# Altium PCB Driver_S_Comm.PcbDoc (part 2 of 4)
Units mm, origin at the board's own origin, x right, y up, seen from the top; angles counter-clockwise.
Board outline 200.2 x 290.2 mm, 2 copper layers (Top Layer, Bottom Layer), stack 1.371 mm thick; 518 components, 197 nets, 1403 pads, 323 vias.
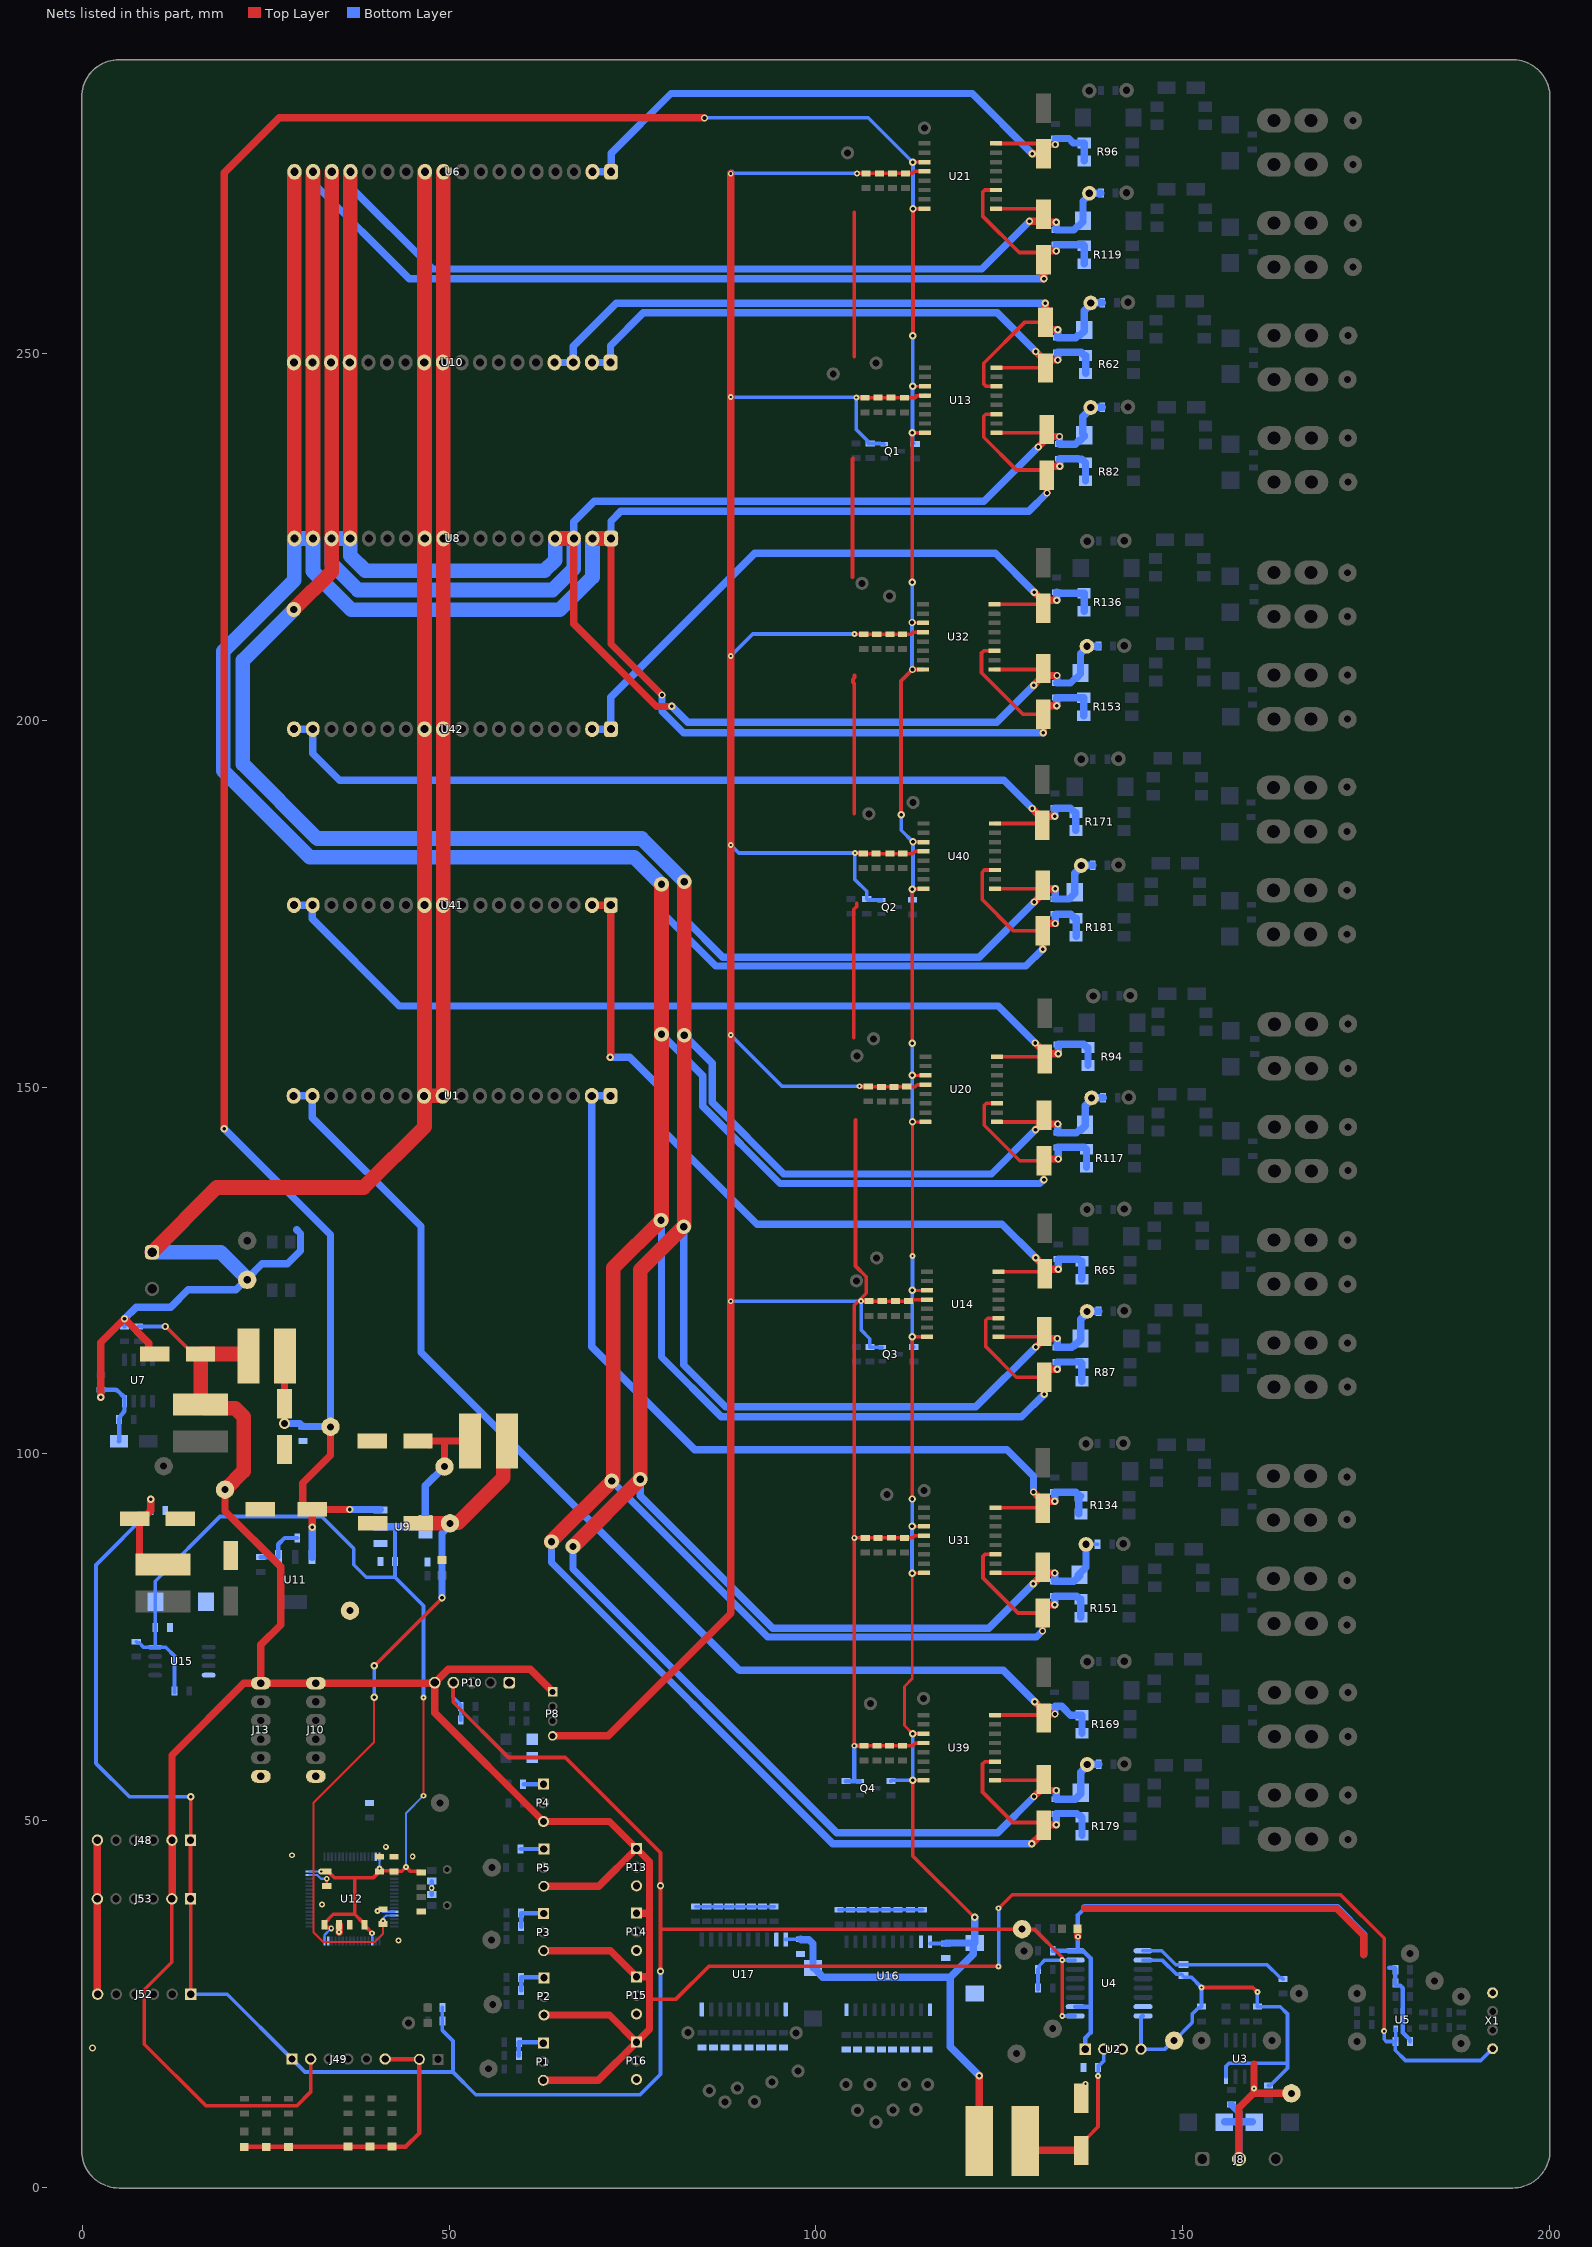
[diagram p2: the nets of this part, all layers, seen from the top]

## Part data
C1 C2 C3 C4 C6 C8 C25 C26 C27 C28 C29 C36 C40 C41 C42 C45 C46 C48 C52 C53 C54 C127: library part CAP-NON-POLAR
C9: library part CMP-1036-04552-2, "CAP CER 0.22UF 50V X7R 0805", Capacitance="0.22 μF", Manufacturer=KEMET, Package=C0805C-DN, Temperature="-55°C to +125°C", Temperature Characteristic=X7R, Temperature Coefficient=30ppm/°C, Temperature Range High=+125°C, Temperature Range Low=-55°C, Tolerance=0.1, Voltage Rating="50 V", Automotive=No, Category=Cap, ComponentLink2Description=Datasheet, ComponentLink2URL=https://content.kemet.com/datasheets/KEM_C1003_C0G_SMD.pdf, Device Class L1="Passive Components", Device Class L2=Capacitors, Device Class L3="Ceramic Capacitors", Digikey Description="CAP CER 0.22UF 50V X7R 0805", Height=0.88mm, Ipc Land Pattern Name=CAPC200125X78, Lead Free=Yes, Manufacturer Part Number=C0805C224K5RACTU, Material=Ceramic, Mouser Description="CAP CER 0.22UF 50V X7R 0805", Octopart=https://octopart.com/c0805c224k5ractu-kemet-144670, RoHS=TRUE
C33 C43 C44 C47 C49 C50 C51 C58 C60 C71 C73 C87 C88 C103 C104 C114 C117 C137 C139 C148 C150 C168 C170: library part CAP-POLAR
C38 C39: library part CAP_POL_SMD
C55 C56: library part CMP-2007-03453-2, "Chip Multilayer Ceramic Capacitors for General Purpose, 0805, 16pF, X5R, 15%, 10%, 16V", Capacitance=10uF, Case Code (Imperial)=0805, Case Code (Metric)=2012, Dielectric=X5R, Max Operating Temperature=85°C, Min Operating Temperature=-55°C, Package Quantity=1, Tolerance=10%, Voltage=16V, Case/Package=0805, Depth=1.25mm, Height=1.25mm, Lead Free="Lead Free", Length=2mm, Material=Ceramic, Mount="Surface Mount", Packaging="Tape and Reel", Radiation Hardening=No, REACH SVHC="No SVHC", Termination=SMD/SMT, Thickness=0.053inch, Voltage Rating=16V, Voltage Rating (DC)=16V, Width=1.25mm
D1 D2 D3 D4 D5 D6 D11 D22: library part LED, "WURTH ELEKTRONIK - 151031YS06000 - LED, Yellow, Through Hole, T-1 (3mm), 30 mA, 2 V, 590 nm", Manufacturer_Name="Wurth Elektronik", Mouser Part Number=710-151031YS06000, Datasheet Link=https://katalog.we-online.de/led/datasheet/151031YS06000.pdf, Geometry.Height=5.5mm, Manufacturer_Part_Number=151031YS06000, Mouser Price/Stock=https://www.mouser.co.uk/ProductDetail/Wurth-Elektronik/151031YS06000?qs=LlUlMxKIyB3xSYYW%252BcuBiQ%3D%3D
D8: "WURTH ELEKTRONIK - 151031YS06000 - LED, Yellow, Through Hole, T-1 (3mm), 30 mA, 2 V, 590 nm", Manufacturer_Name="Wurth Elektronik", Manufacturer_Part_Number=151031YS06000, Mouser Part Number=710-151031YS06000, Datasheet Link=https://katalog.we-online.de/led/datasheet/151031YS06000.pdf, Geometry.Height=5.5mm, Mouser Price/Stock=https://www.mouser.co.uk/ProductDetail/Wurth-Elektronik/151031YS06000?qs=LlUlMxKIyB3xSYYW%252BcuBiQ%3D%3D
J8: library part 691101710003, "WR-TBL Series 101 Horizontal Entry Modular, Through Hole, pitch 5mm, 3p", Manufacturer="Wurth Elektronik", Operating Temperature Max=105°C, Operating Temperature Min=-40°C, Rated Current=16A, Working Voltage=250V, Application="Pressure Clamp", Category="Terminal Blocks", ComponentLink1Description="Manufacturer Link", ComponentLink1URL=https://www.we-online.com/redexpert/article/691101710003?ad, ComponentLink2Description=Datasheet, ComponentLink2URL=https://www.we-online.com/redexpert/spec/691101710003?ad, Manufacturer Part Number=691101710003, Match Code=WR-TBL, Modularity=Yes, Mount="Through Hole", Orientation=Horizontal, Packaging=Box, PCB/Cable/Panel=PCB, Pin Number=3, Pitch=5mm
J9: "WR-TBL Series 101 Horizontal Entry Modular, THT, pitch 5mm, 2p", Manufacturer="Wurth Elektronik", Operating Temperature Max=105°C, Operating Temperature Min=-40°C, Rated Current=16A, Working Voltage=250V, Application="Pressure Clamp", Category="Terminal Blocks", ComponentLink1Description="Website Link", ComponentLink1URL=https://www.we-online.com/redexpert/article/691101710002?ad, ComponentLink2Description="Datasheet Link", ComponentLink2URL=https://www.we-online.com/redexpert/spec/691101710002?ad, Manufacturer Part Number=691101710002, Match Code=WR-TBL, Modularity=Yes, Mount="Through Hole", Number of Pins=2, Number of Rows=1, Orientation=Horizontal, Packaging=Box, Pitch=5mm
J14 J15 J16 J17 J19 J20 J21 J22 J23 J24 J25 J26 J28 J29 J30 J31 J32 J34 J35 J36 J37 J38 J39 J40 J42 J43 J44 J45 J46 J47 J50 J51: library part Klema_15_A
J48 J49 J52 J53: library part SWR25X-NRTC-S06-ST-BA
L3 L4: library part CMP-0227-00501-2, Ambient Temperature Range High=85°C, Ambient Temperature Range Low=-40°C, Current Rating=620mA, DC Resistance (DCR)=500mΩ, Inductance=270µH, Max Operating Temperature=125°C, Self Resonant Frequency=4MHz, Height=5.4mm, Length=9mm, Min Operating Temperature=-40°C, NexarPartId=24533346, Packaging=Digi-Reel®, RoHS=Compliant, Width=10mm
L5 L6 L7: library part 74477530, "WE-PD2 SMT Power Inductor, size 7850, 1000µH, 0.3A, 3.3Ω", Case/Size Code=7850, DC Resistance=2.78Ω, DC Resistance Max=3.3Ω, Inductance=1000µH, Manufacturer="Wurth Elektronik", Operating Temperature Max=125°C, Operating Temperature Min=-40°C, Rated Current=0.3A, Self Resonant Frequency=2.4MHz, Category="Unshielded Power Inductors", ComponentLink1Description="Website Link", ComponentLink1URL=https://www.we-online.com/redexpert/article/74477530?ad, ComponentLink2Description="Datasheet Link", ComponentLink2URL=https://www.we-online.com/redexpert/spec/74477530?ad, Height=4.95mm, Length=7.8mm, Manufacturer Part Number=74477530, Match Code=WE-PD2, Mount="Surface Mount", Packaging="Tape and Reel", Saturation Current=0.3A, Width=7mm, Simulation ModelName=7850_74477530_1m, Simulation ModelText=".subckt 7850_74477530_1m 1 2 / Rp 1 2 187304.915771 / Cp 1 2 4.36976277949p / Rs 1 N3 3.3 / L1 N3 2 1000u / .ends 7850_74477530_1m", Simulation PortMap=(1:1),(2:2)
P1 P2 P3 P4 P5 P13 P14 P15 P16: "WR-WTB THT Male Vertical Locking Header, pitch 2.54mm, 3p", Contact Resistance=20mOhm, Operating Temperature="-40 to +105degC", Rated Current=3A, Withstanding Voltage=1000VAC, Working Voltage=250VAC, ComponentLink1Description=Manufacturer, ComponentLink1URL=http://www.we-online.de, ComponentLink2Description=Datasheet, ComponentLink2URL=https://www.we-online.com/catalog/datasheet/61900311121.pdf, Gender=Male, Mounting Technology=THT, Packaging=Bag, Part Number=61900311121, Pin Number=3, Pitch=2.54mm, Published Date="January 2020", Publisher="Wurth Elektronik", Type=Vertical
P8: "WR-WTB Male Vertical Shrouded Header, pitch 2mm, 4p", Contact Resistance=20mOhm, Operating Temperature="-25 to +85degC", Rated Current=2A, Withstanding Voltage=800VAC, Working Voltage=125VAC, ComponentLink1Description=Manufacturer, ComponentLink1URL=http://www.we-online.de, ComponentLink2Description=Datasheet, ComponentLink2URL=https://www.we-online.com/catalog/datasheet/62000411622.pdf, Gender=Male, Mounting Technology=THT, Packaging=Bag, Part Number=62000411622, Pin Number=4, Pitch=2mm, Published Date="January 2020", Publisher="Wurth Elektronik", Type=Vertical
P9: "WR-WTB THT Male Vertical Locking Header, pitch 2.54mm, 2p", Contact Resistance=20mOhm, Operating Temperature="-40 to +105degC", Rated Current=3A, Withstanding Voltage=1000VAC, Working Voltage=250VAC, ComponentLink1Description=Manufacturer, ComponentLink1URL=http://www.we-online.de, ComponentLink2Description=Datasheet, ComponentLink2URL=https://www.we-online.com/catalog/datasheet/61900211121.pdf, Gender=Male, Mounting Technology=THT, Packaging=Bag, Part Number=61900211121, Pin Number=2, Pitch=2.54mm, Published Date="January 2020", Publisher="Wurth Elektronik", Type=Vertical
P10: "WR-PHD Pin Header, THT, Vertical, pitch 2.54mm, 1 Row, 5P", Contact Resistance=20mΩ, Manufacturer="Wurth Elektronik", Operating Temperature Max=105°C, Operating Temperature Min=-40°C, Rated Current=3A, Withstanding Voltage=500V, Working Voltage=250V, Category="Board-to-Board Connectors", ComponentLink1Description="Website Link", ComponentLink1URL=https://www.we-online.com/redexpert/article/61300511121?ad, ComponentLink2Description="Datasheet Link", ComponentLink2URL=https://www.we-online.com/redexpert/spec/61300511121?ad, Gender="Pin Header", Manufacturer Part Number=61300511121, Match Code=WR-PHD, Mount="Through Hole", Number of Pins=5, Number of Rows=1, Orientation=Vertical, Packaging=Bag, Pitch=2.54mm
Q1 Q2 Q3 Q4: library part BC847C_Infineon, "NPN Silicon AF Transistor, 45 V VCEO, 100 mA IC, SOT23, Reel, Green", Manufacturer=Infineon, ComponentLink1Description="Manufacturer URL", ComponentLink1URL=http://www.infineon.com/, ComponentLink2Description=Datasheet, ComponentLink2URL=http://www.infineon.com/dgdl/bc847series_bc848series_bc849series_bc850series.pdf?folderId=db3a304314dca389011541d30fa21656&fileId=db3a304314dca389011541d4630a1657, ComponentLink3Description="Package Specification", ComponentLink3URL=http://www.infineon.com/dgdl/SOT23-Package_Overview.pdf?folderId=db3a30431936bc4b0119532290053c66&fileId=db3a30431936bc4b0119533468123c85, fT (typ)="250Â MHz", Green=TRUE, IBM (max)="200Â mA", IC (max)="100Â mA", ICBO (max)="15Â nA", ICM (max)="200Â mA", Mounting Technology="Surface Mount", PackageDescription="3-Pin Small Outline Transistor Package, 1.3 x 2.9 mm Body, 0.95 mm Pitch", PackageReference=SOT23, PackageVersion=Apr-08, Packing=Reel, PartNumber=BC847C, Polarity=NPN, Ptot (max)="330Â mW", VCBO (max)="50Â V", VCEO (max)="45Â V", VEBO (max)="6Â V"
R1 R2 R3 R4 R5 R6 R7 R8 R9 R10 R11 R12 R13 R14 R15 R16 R17 R18 R19 R20 R21 R22 R23 R24 R25 R26 R27 R28 R29 R30 R31 R32 R33 R34 R35 R36 R37 R38 R39 R40 R41 R42 R43 R44 R45 R46 R47 R48 R49 R50 R51 R52 R53 R54 R55 R57 R58 R59 R60 R61 R62 R63 R64 R65 R66 R67 R68 R69 R70 R71 R72 R73 R74 R75 R76 R77 R78 R79 R80 R81 R82 R83 R84 R85 R86 R87 R88 R89 R90 R91 R92 R93 R94 R95 R96 R97 R104 R105 R106 R107 R108 R111 R113 R114 R115 R116 R117 R118 R119 R120 R121 R122 R123 R124 R131 R132 R133 R134 R135 R136 R137 R140 R142 R143 R144 R145 R146 R147 R148 R149 R150 R151 R152 R153 R154 R157 R159 R160 R167 R168 R169 R170 R171 R172 R173 R175 R176 R177 R178 R179 R180 R181: library part RES-CONST
R56: library part RES-CONST, "10K"
R174: library part RES-CONST, "100K"
TP1 TP2 TP3 TP4 TP5 TP6 TP7 TP8 TP9 TP10 TP11 TP12 TP13 TP14 TP15 TP16 TP17 TP18 TP19 TP20 TP21 TP22 TP23 TP24 TP25 TP26 TP27 TP28 TP29 TP30 TP31 TP32 TP33 TP34 TP35 TP36 TP37 TP38 TP39 TP40 TP41 TP42 TP43 TP44 TP45 TP46 TP47 TP48 TP49 TP50 TP51 TP52 TP53 TP54 TP55 TP56 TP57 TP58 TP59 TP60 TP61 TP62 TP63 TP64 TP65 TP66 TP67 TP68 TP69 TP70 TP71 TP72 TP73 TP74 TP77 TP78 TP79 TP83 TP84 TP85 TP86 TP87 TP88 TP98 TP99 TP100 TP101 TP102 TP103 TP104 TP105: library part TP_PCB?, "Test_Point"
U1 U6 U8 U10 U41 U42: library part DC-DC/12-18VDC
U4: library part CMP-0534-00565-1, "Quad Channel Digital Isolator, 2.5 KV rms Insulation Rating, 10 Mbps Data Rate, 50 ns Delay, Industrial, 16-pin SOIC (RW-16), Tube", Manufacturer="Analog Devices", Max Operating Temp (degreesC)=125, Code_JEDEC=MS-013-AA, ComponentLink1Description="Manufacturer URL", ComponentLink1URL=http://www.analog.com/en/index.html, ComponentLink2Description=Datasheet, ComponentLink2URL=http://www.analog.com/static/imported-files/data_sheets/ADuM1400_1401_1402.pdf, ComponentLink3Description="Package Specification", ComponentLink3URL=http://www.analog.com/static/imported-files/packages/PKG_PDF/SOIC_WIDE%20%28RW%29/RW_16.pdf, ComponentLink4Description="URL Link1", ComponentLink4URL="Product URL:http://www.analog.com/en/interface-isolation/digital-isolators/adum1401/products/product.html", ComponentLink5Description="URL Link2", ComponentLink5URL="Reference Circuit:http://www.analog.com/en/interface-isolation/digital-isolators/adum1401/products/product.html#product-recommendations", DatasheetVersion="Rev. H", Max Data Rate=10Mbps, Mounting Technology="Surface Mount", PackageDescription="16-Pin Standard Small Outline Package, Body 10.3 x 7.5 mm, Pitch 1.27 mm", PackageReference=RW-16, PackageVersion="032707-B, 03/2007", PartNumber=ADUM1401BRWZ
U5: library part MCP6001T, "IC OPAMP GP 1 CIRCUIT SOT23-5", Case/Package=SOT-23, Input Bias Current=1pA, Input Offset Voltage (Vos)=4.5mV, Max Operating Temperature=85°C, Max Supply Voltage=6V, Min Operating Temperature=-40°C, Min Supply Voltage=1.8V, Nominal Supply Current=100uA, Operating Supply Voltage=5.5V, Output Current=23mA, Package Quantity=1, Power Supply Rejection Ratio (PSRR)=86dB, Voltage Gain=112dB, Bandwidth=1MHz, Common Mode Rejection Ratio=60dB, Contact Plating=Tin, Gain Bandwidth Product=1MHz, Height=1.3mm, Lead Free="Lead Free", Length=3.1mm, Mount="Surface Mount", Number of Amplifiers=1, Number of Channels=1, Number of Circuits=1, Number of Elements=1, Number of Pins=5, Operating Supply Current=100uA, Output Current per Channel=23mA, Packaging="Tape and Reel", Radiation Hardening=No, REACH SVHC="No SVHC", Slew Rate=0.6V/µs, Unity Gain Bandwidth Product=1MHz, Voltage=6V, Width=1.8mm
U9 U11: library part AMS1117
VD1 VD18: library part ESD_Unidirect
VD2 VD3 VD6 VD7 VD10 VD11 VD14 VD15 VD20 VD21 VD24 VD25 VD28 VD29 VD32 VD33: library part Suppressor
VD4 VD5 VD8 VD9 VD12 VD13 VD16 VD17 VD22 VD23 VD26 VD27 VD30 VD31 VD34 VD35: library part ZENER
Y1: library part CMP-1749-00004-1, "Resistance Weld Thru-Hole Crystal, 12 MHz, +/-30 ppm, -20 to 70 degC, 2-Pin THD, RoHS, Bulk", Case\Package=TO-251-3, Input Capacitance="350 pF", Max Operating Temperature="150 degC", Max Power Dissipation="2.5 W", Min Operating Temperature="-55 degC", Package Quantity=70, ComponentLink1Description="Manufacturer URL", ComponentLink1URL=http://www.foxonline.com/, ComponentLink2Description=Datasheet, ComponentLink2URL=http://www.foxonline.com/pdfs/hc49slf.pdf, DatasheetVersion=Mar-15, Elements=1, Height="6.1 mm", Length="6.6 mm", Mount="Through Hole", PackageDescription="2-Pin Through Hole Device, Body 11.35 x 4.65 mm, Pitch 4.88 mm", PackageReference=FOXSLF-2, Packaging=Rail/Tube, Pins=3, Radiation Hardening=No, Rds On Max="115 mohm", REACH SVHC="No SVHC", RoHSCompliant=true, Typical Rise Time="90 ns", Width="2.3 mm"

## Via types
v1: diameter 1, hole 0.5, Top Layer to Bottom Layer, tented both sides, 118 vias
v2: diameter 0.8, hole 0.3, Top Layer to Bottom Layer, 112 vias
v3: diameter 0.8, hole 0.3, Top Layer to Bottom Layer, tented both sides, 64 vias
v4: diameter 2, hole 1, Top Layer to Bottom Layer, tented both sides, 11 vias
v5: diameter 1, hole 0.5, Top Layer to Bottom Layer, 9 vias
v6: diameter 0.8, hole 0.4, Top Layer to Bottom Layer, 5 vias
v7: diameter 0.8, hole 0.4, Top Layer to Bottom Layer, tented both sides, 2 vias
v8: diameter 0.7, hole 0.3, Top Layer to Bottom Layer, tented both sides, 1 vias
v9: diameter 1.5, hole 1, Top Layer to Bottom Layer, tented both sides, 1 vias

## Nets (pads, with @x,y where several pads share a name; then routed paths per layer and width w, separated by ;. In a path a pad name is that pad's centre, name@x,y a point inside that pad or via, vN(x,y) a via of type N, cw(c..) or ccw(c..) an arc to the next point about the centre after c; other vN are vias at no path point)
+3V3: C51.1 C52.2 J48.1 J49.1 J52.1 J53.1 L7.2 P10.4 R25.2 R28.2 R120.2 R121.2 R137.1 R142.2 TP6.1 U4.1 U4.7 | length 324.5
  Top Layer w0.5: J53.1@14.747,39.332 J48.1@14.747,47.332 14.775,47.36 v1(14.775,53.275) ; J52.1@14.782,26.332 J53.1@14.782,39.287 ; P10.4@50.582,68.807 50.582,66.139 58.11,58.611 65.839,58.611 76.075,48.375 78.83,45.62 v1(78.83,41.11) 78.83,35.198 ; v1(78.83,29.455) 78.83,35.198 ; TP6.1@128.125,35.198 78.83,35.198 ; TP6.1@128.125,35.775 128.666,35.775 128.666,35.529 129.049,35.146 129.832,35.146 133.536,31.443 133.536,31.039 v3(133.593,30.982) v3(133.593,23.362)
  Top Layer w1: v1(9.3,93.834) 9.3,92.245 8.714,91.659 7.625,91.659 C51.1@7.125,91.159 7.79,90.659 7.79,85.899 L7.2@10.96,84.899
  Bottom Layer w0.5: v1(9.3,93.834) C52.2@9.3,92.302 1.85,84.852 1.85,57.8 6.375,53.275 v1(14.775,53.275) ; J52.1@14.782,26.332 19.741,26.332 J49.1@28.577,17.496 30.348,15.725 50.415,15.725 50.525,15.615 ; R142.2@49.087,24.536 R137.1@49.087,22.696 49.087,21.396 50.525,19.958 50.525,15.725 53.638,12.612 76.017,12.612 78.83,15.425 v1(78.83,29.455) ; P10.4@50.582,68.807 50.582,66.796 51.442,65.936 51.592,65.786 R120.2@51.592,65.561 R121.2@51.592,63.711 ; R28.2@130.303,26.947 R28.2@130.303,27.172 R25.2@130.303,29.712 130.453,29.862 130.453,30.224 131.211,30.982 v3(133.593,30.982) U4.7@135.368,30.982 ; v3(133.593,23.362) U4.1@135.368,23.362
+3V3_MCU: C4.2 C5.1 C21.1 C22.1 C23.1 C24.1 C30.1 C43.1 C46.2 L6.1 R13.1 R14.1 R58.2 TP33.1 U9.2 U12.1 U12.19 U12.32 U12.48 U12.64 U15.8 | length 175.3
  Top Layer w0.3: v3(46.49,53.385) 46.49,66.765 v3(46.5,66.775)
  Top Layer w0.5: v3(32.554,43.076) C24.1@33.317,43.076 33.542,43.076 33.692,42.926 33.692,42.869 34.332,42.228 37.149,42.228 ; v3(33.927,35.311) 33.846,35.311 33.734,35.423 33.157,35.423 33.007,35.573 C23.1@33.007,35.798 33.007,36.023 34.213,37.228 37.149,37.228 ; C22.1@38.453,35.572 38.603,35.422 38.722,35.422 v3(39.507,34.637) ; C22.1@38.453,35.797 38.453,36.022 38.303,36.172 38.205,36.172 37.149,37.228 ; C30.1@40.529,43.066 39.691,42.228 37.149,42.228 ; C30.1@40.754,43.161 C21.1@42.507,43.161 ; C21.1@42.545,43.113 43.551,43.113 v3(44.12,43.682) 44.726,43.076 45.527,43.076 45.53,43.074 46.045,43.074 R58.2@46.195,42.924 ; 37.149,37.228 37.149,42.228
  Top Layer w1: C43.1@47.265,101.259 C43.1@45.765,101.759 49.308,101.759 ; TP33.1@49.38,98.269 49.38,101.687 49.308,101.759 ; L6.1@52.88,101.789 52.85,101.759 49.308,101.759
  Bottom Layer w0.3: C5.1@9.95,79.83 C5.1@9.95,79.98 ; U12.48@31.007,43.076 v3(32.554,43.076) ; U12.32@33.007,33.576 33.007,34.391 v3(33.927,35.311) ; U12.19@39.507,33.576 v3(39.507,34.637) ; v3(40.507,43.473) U12.64@40.507,45.076 ; U12.1@42.507,43.076 42.509,43.078 43.516,43.078 v3(44.12,43.682) 44.12,51.015 v3(46.49,53.385)
  Bottom Layer w0.5: R13.1@7.35,74.397 7.5,74.247 7.742,74.247 8.342,73.647 U15.8@9.918,73.647 ; R14.1@12.568,67.465 R14.1@12.568,67.659 12.568,72.448 11.37,73.647 U15.8@9.918,73.647 ; 42.63,90.059 C46.2@42.63,85.339 42.63,83.17 ; v3(46.5,66.775) 46.5,79.3 42.63,83.17 ; U15.8@9.918,73.647 9.925,73.653 C4.2@9.925,76.33 9.925,79.805 C5.1@9.95,79.83 9.95,82.649 18.76,91.459 32.628,91.459 37,87.087 37,84.88 38.71,83.17 42.63,83.17
  Bottom Layer w1: U9.2@40.66,90.059 42.63,90.059 U9.2@46.76,90.059 46.76,95.649 TP33.1@49.38,98.269
+3V3_REF: C20.2 C44.1 C45.2 L6.2 R55.2 TP32.1 U12.13 | length 97.2
  Top Layer w0.3: v5(39.775,66.8) 39.775,60.725 31.499,52.449 31.499,34.796 32.843,33.452 39.855,33.452 40.992,34.589 C20.2@40.992,35.924 C20.2@41.015,35.9 ; v3(40.992,36.324) C20.2@41.304,36.011 ; v1@49.035,80.335 v1(49.035,80.375)
  Top Layer w0.5: v1(39.8,71.125) 39.825,71.125 v1@49.035,80.335
  Top Layer w2: C44.1@45.805,90.534 TP32.1@50.111,90.534 50.207,90.63 51.255,90.63 57.401,96.776 57.401,101.31 L6.2@57.88,101.789
  Bottom Layer w0.3: v5(39.775,66.8) v5@39.8,66.825 ; v3(40.992,36.324) 41.087,36.419 41.087,36.746 41.417,37.076 U12.13@42.507,37.076
  Bottom Layer w0.5: v5@39.8,66.825 v1(39.8,71.125)
  Bottom Layer w1: v1(49.035,80.375) 49.035,89.198 50.111,90.274 TP32.1@50.111,90.534
+5: C6.2 C7.1 C8.2 C10.1 C39.1 C40.2 C42.2 C49.1 C54.2 L3.1 L4.2 R76.1 R104.1 R132.1 R154.1 TP29.1 U9.3 U11.3 U13.3 U13.8 U14.3 U14.8 U16.20 U17.20 U20.3 U20.8 U21.3 U21.8 U31.3 U31.8 U32.3 U32.8 U39.3 U39.8 U40.3 U40.8 | length 665.8
  Top Layer w0.4: v1(113.125,90.125) 113.132,90.118 114.766,90.118 U31.3@114.769,90.12 ; v1(113.125,213.35) 113.151,213.324 114.599,213.324 U32.3@114.625,213.299 ; v1(113.15,122.3) 113.159,122.309 U14.3@115.141,122.309 ; v1(113.162,151.614) U20.3@114.939,151.614 ; v2(113.175,127) v1(113.175,145.3) 113.211,145.264 U20.8@114.939,145.264 ; v1(113.198,55.5) U39.8@114.699,55.5 ; v1(113.2,245.55) 113.223,245.573 U13.3@114.887,245.573 ; v1(113.225,276.1) 113.255,276.13 114.807,276.13 U21.3@114.815,276.138 ; v1(113.243,183.444) 113.26,183.427 114.67,183.427 U40.3@114.678,183.419 ; U39.3@114.699,61.85 v1(113.198,61.85) 112.075,62.973 112.075,68.3 113.15,69.375 v1(113.15,83.75) 113.163,83.763 114.761,83.763 U31.8@114.769,83.77
  Top Layer w0.5: L4.2@27.55,113.275 L4.2@27.625,113.35 ; v5(111.65,187.125) 111.625,187.15 111.625,205.393 v1(113.181,206.949) U32.8@114.625,206.949 ; v5(113.15,156) 113.162,156.012 v1(113.162,176.998) 113.232,177.068 U40.8@114.678,177.069 ; v5(113.15,218.825) v1(113.15,239.225) 113.152,239.223 U13.8@114.887,239.223 ; v5(113.157,93.848) 113.159,93.849 v1(113.159,115.959) U14.8@115.141,115.959 ; v1@113.198,55.33 113.198,45.227 121.6,36.825 v5(121.675,36.825) ; v5(113.225,252.475) 113.254,252.504 v1(113.254,269.788) U21.8@114.815,269.788
  Top Layer w1: v1(19.35,144.35) 19.35,274.7 26.825,282.175 84.8,282.175 v1(84.825,282.15) ; v9(27.55,104.139) C39.1@27.55,106.822 L4.2@27.55,113.275 ; v1(31.33,89.979) 31.33,92.429 C49.1@31.36,92.459 ; C49.1@32.36,92.419 v1(36.45,92.419) ; C49.1@32.36,92.459 C49.1@31.36,92.459 ; TP29.1@33.83,103.339 33.83,99.832 30.04,96.042 30.04,92.959 30.54,92.459 C49.1@31.36,92.459 ; v1(122.29,15.226) 122.29,6.335 L3.1@122.3,6.325